# Altium PCB cam_cross_link_generic.PcbDoc (part 4 of 4)
Units mm, origin at the board's own origin, x right, y up, seen from the top; angles counter-clockwise.
Board outline 68.55 x 39.09 mm, 6 copper layers (Signal_T, GND_T, PWR, Signal_INT, GND_B, Signal_B), stack 0.816 mm thick; 173 components, 131 nets, 841 pads, 884 vias.
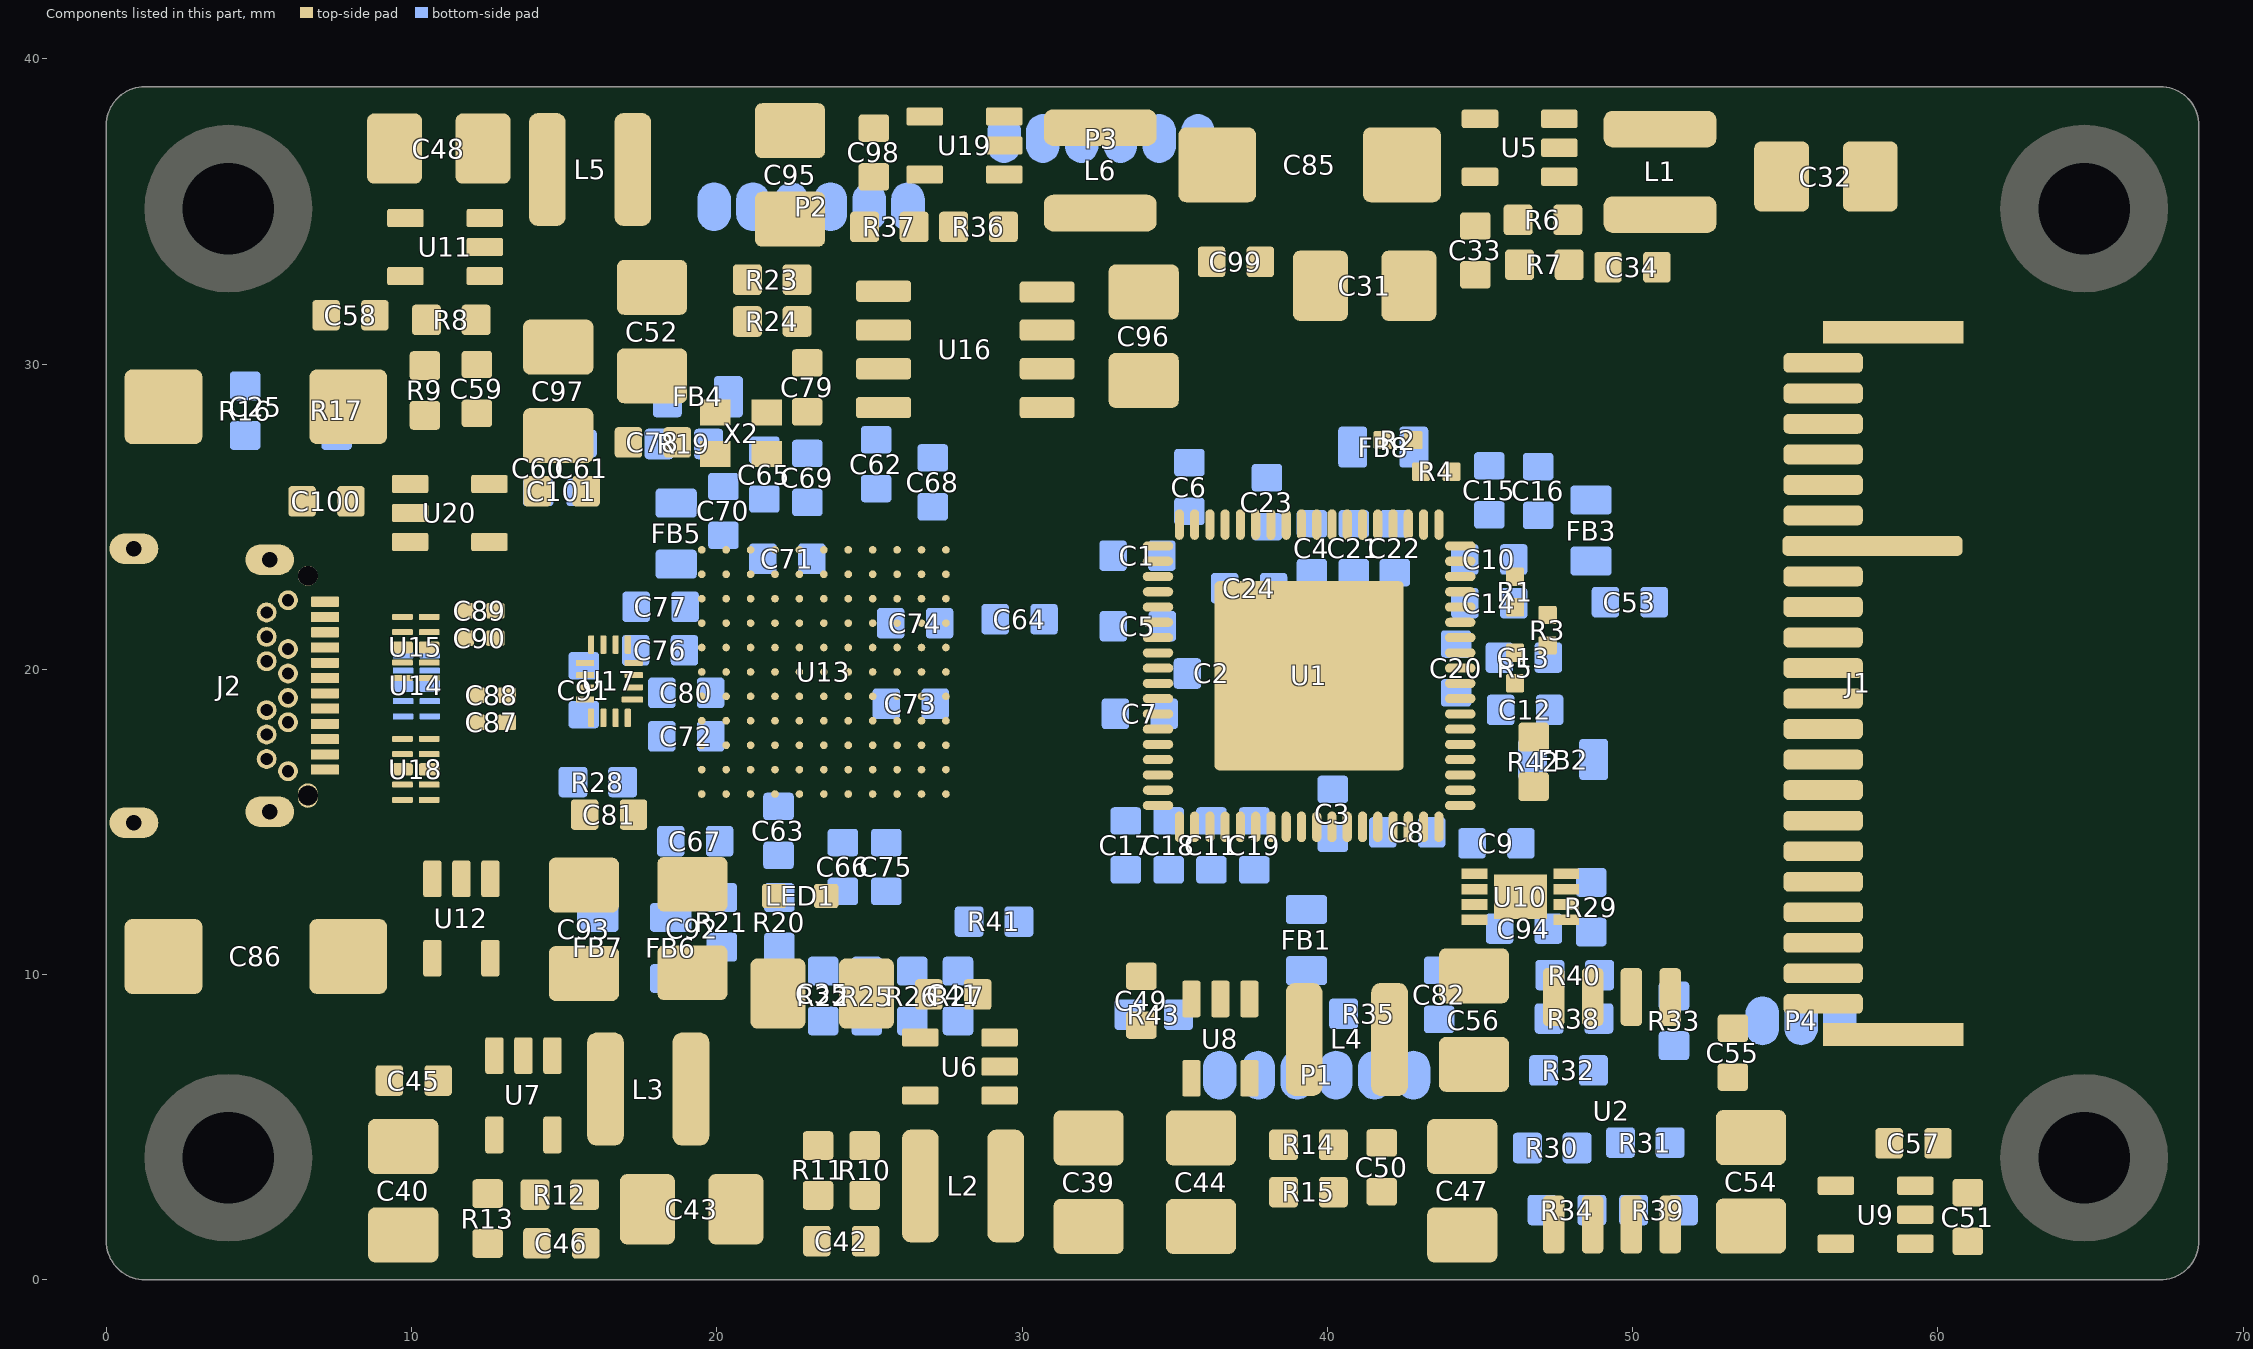
[diagram p8: the components of this part, seen from the top]

## Polygon pours and split planes (outlines as drawn) (continued)
GND on Signal_T "GND_L01_P059" (solid, pour order 59): 10.871,38.974 15.621,38.974 15.621,34.225 13.304,34.225 13.304,33.167 10.847,33.167
+5V on Signal_T "+5V_L01_P057" (solid, pour order 57): 1.293,38.973 10.871,38.974 10.871,33.274 8.966,33.274 8.966,32.131 9.779,32.131 9.779,27.026 11.252,27.026 11.252,23.368 8.763,23.368 8.763,24.74 5.131,24.74 5.131,30.785 0.111,30.785 0.111,37.791 cw(c1.293,37.791)
GND on Signal_T "GND_L01_P054" (solid, pour order 54): 3.556,5.982 3.556,0.11 57.252,0.11 57.252,6.055
+5V on Signal_T "+5V_L01_P041" (solid, pour order 41): 23.495,10.82 23.495,7.925 23.043,7.925 23.043,5.105 25.679,5.105 25.679,5.629 27.661,5.629 27.661,10.82
VUSB on Signal_T "VUSB_L01_P037" (solid, pour order 37): 14.326,11.957 14.326,15.291 8.887,15.291 8.856,14.229 5.366,14.229 5.347,11.957
+5V on Signal_T "+5V_L01_P036" (solid, pour order 36): 0.102,12.649 9.677,12.649 9.677,11.913 14.3,11.913 14.3,8.153 12.493,8.153 12.484,6.642 13.335,5.791 13.335,3.835 0.102,3.835
LDO_1V0 on Signal_T "LDO_1V0_L01_P033" (solid, pour order 33): 52.68,6.223 57.419,6.223 57.419,3.083 52.629,3.083 52.629,2.845
1V0 on Signal_T "1V0_L01_P032" (solid, pour order 32): 28.016,2.565 28.016,4.851 28.575,5.41 29.388,5.41 29.388,9.699 30.453,10.765 32.995,10.765 32.995,2.54 27.991,2.54
+5V on Signal_T "+5V_L01_P031" (solid, pour order 31): 32.995,8.179 37.465,8.179 37.465,3.715 33.032,3.671
GND on Signal_T "GND_L01_P058" (solid, pour order 58): 0.111,30.785 5.131,30.785 5.131,26.416 7.264,26.416 7.264,24.702 8.712,24.702 14.477,24.702 14.477,24.499 12.871,23.044 11.805,23.054 8.78,23.044 7.912,22.022 5.856,22.018 5.537,22.352 4.724,22.352 4.724,16.535 5.766,16.535 5.766,17.12 6.375,17.12 6.375,16.942 11.1,16.942 11.354,16.688 12.192,15.85 16.11,15.85 16.11,13.706 14.335,13.706 14.335,15.291 11.354,15.291 8.856,15.291 8.856,14.229 5.366,14.229 5.366,12.649 0.11,12.649
1V2 on Signal_T "1V2_L01_P056" (solid, pour order 56): 15.316,38.964 18.669,38.964 18.669,34.849 19.914,34.849 19.914,31.09 13.056,31.09 13.056,29.566 11.303,29.566 11.303,32.385 12.802,32.385 12.802,34.392 15.316,34.392
no net on Signal_T "NONET_L01_P077" (solid, pour order 77): 59.291,28.524
LDO_1V8 on Signal_T "LDO_1V8_L01_P055" (solid, pour order 55): 40.564,11.652 43.434,11.653 43.434,12.588 45.391,12.597 45.391,10.717 43.434,10.717 43.434,10.185 40.564,10.185
+5V on Signal_T "+5V_L01_P043" (solid, pour order 43): 0.112,3.962 0.112,1.288 ccw(c1.287,1.288) 1.287,0.112 4.039,0.112 4.039,4.104
+5V on Signal_T "+5V_L01_P042" (solid, pour order 42): 0.148,3.835
1V8 on Signal_T "1V8_L01_P038" (solid, pour order 38): 18.035,8.433 22.936,8.433 22.936,3.835 18.898,3.835 18.898,0.66 15.469,0.66 15.469,4.242 18.035,4.242
FPGA_1V8 on Signal_T "FPGA_1V8_L01_P035" (solid, pour order 35): 26.467,9.804
GND on Signal_B "GND_L06_P092" (solid, pour order 92): 16.844,0.11 1.278,0.108 cw(c1.278,1.272) 0.114,1.272 0.114,37.816 cw(c1.273,37.816) 1.273,38.976 17.018,38.976 17.018,22.86 12.649,22.86 11.887,22.098 5.766,22.098 5.486,22.377 4.724,22.377 4.724,16.535 5.791,16.535 5.791,16.866 9.779,16.866 10.516,17.602 12.09,17.602 13.284,18.796 14.941,18.796 15.5,19.456 17.094,19.456 17.094,0.36
GND on Signal_B "GND_L06_P091" (solid, pour order 91): 66.592,38.976 67.284,38.976 cw(c67.284,37.813) 68.447,37.813 68.447,1.283 cw(c67.277,1.283) 67.277,0.113 16.842,0.113 16.842,38.977 17.028,38.977
LDO_1V8 on Signal_B "LDO_1V8_L06_P044" (solid, pour order 44): 40.361,11.76 44.018,11.76 44.018,10.185 40.361,10.185
GND on Signal_INT "GND_L04_P081" (solid, pour order 81): 55.397,3.251 55.397,0.102 1.301,0.102 cw(c1.301,1.294) 0.109,1.294 0.109,24.511 22.992,24.685 23.181,15.291 38.633,15.291 38.633,9.5 46.685,9.5 46.685,3.251
LDO_1V8 on Signal_INT "LDO_1V8_L04_P046" (solid, pour order 46): 32.004,27.788 46.627,27.788 46.602,9.5 38.633,9.5 38.633,15.113 32.004,15.113
LDO_1V0 on Signal_INT "LDO_1V0_L04_P047" (solid, pour order 47): 46.701,24.867 50.571,24.867 50.571,13.945 52.349,12.065 57.582,12.065 57.582,3.251 46.805,3.251
GND on Signal_INT "GND_L04_P072" (solid, pour order 72): 68.44,37.375 68.44,37.819 ccw(c67.294,37.819) 67.294,38.965 1.26,38.965 ccw(c1.26,37.809) 0.104,37.809 0.104,27.629 68.44,27.629
GND on Signal_INT "GND_L04_P082" (solid, pour order 82): 0.104,27.629 0.104,16.561 4.75,16.561 4.75,22.327 6.248,22.327 6.248,22.047 7.976,22.047 8.783,23.047 9.129,23.393 11.608,23.393 12.624,24.409 32.029,24.409 32.029,27.629
GND on Signal_INT "GND_L04_P083" (solid, pour order 83): 32.029,24.409 32.029,15.291 20.287,15.291 20.316,20.925 19.193,20.913 19.193,24.409
GND on Signal_INT "GND_L04_P079" (solid, pour order 79): 64.907,27.629 68.433,27.629 68.433,1.266 cw(c67.277,1.266) 67.277,0.11 53.315,0.11 53.315,27.632 64.769,27.632
GND on Signal_INT "GND_L04_P078" (solid, pour order 78): 43.815,28.296 43.815,24.867 50.571,24.867 50.571,13.945 52.349,12.065 55.397,12.065 55.397,15.113 53.365,15.113 53.365,28.296 49.632,28.296
no net on Signal_INT "NONET_L04_P049" (solid, pour order 49): 49.733,31.064
+5V on Signal_INT "+5V_L04_P045" (solid, pour order 45): 32.004,28.854
GND on GND_T "GND_L02_P084" (solid, pour order 84): 0.119,37.812 cw(c1.295,37.812) 1.295,38.987 67.265,38.987 cw(c67.265,37.806) 68.446,37.806 68.446,1.303 cw(c67.26,1.303) 67.26,0.118 1.312,0.118 cw(c1.312,1.321) 0.109,1.321
GND on GND_B "GND_L05_P085" (solid, pour order 85): 0.115,37.808 cw(c1.291,37.808) 1.291,38.983 67.261,38.983 cw(c67.261,37.802) 68.442,37.802 68.442,1.299 cw(c67.256,1.299) 67.256,0.114 1.308,0.114 cw(c1.308,1.317) 0.105,1.317

## Keep-outs
Keep-Out Layer:
  lines w0.025: 0,1.27 ccw(c1.27,1.27) 1.27,0 67.285,0 ccw(c67.285,1.27) 68.555,1.27 68.555,16.354 68.555,37.262 68.555,37.816 ccw(c67.285,37.816) 67.285,39.086 67.102,39.086 1.268,39.086 ccw(c1.268,37.818) 0,37.818 0,37.795 0,8.761 0,1.27

## Other copper
Signal_B:
  pour cut-out: 50.381,13.043 48.844,14.58 48.844,17.361 49.886,18.402 49.886,20.345 50.267,20.726 52.807,20.726 52.807,15.469

## Silkscreen, mask and mechanical layers (free items; w line width, h text height)
Top Overlay:
  circle w0.254: c62.995,9.191 r0.31
  circle w0.254: c58.623,9.271 r0.31
  lines w0.254: 52.139,26.441 54.534,26.441 ; 57.81,26.441 61.563,26.441 ; 62.292,5.647 61.563,5.647 61.563,26.441 ; 63.957,26.441 61.563,26.441
  text "1V2" at 13.716,32.41 h1.02
  text "3V3 CAM" at 48.336,31.09 h1.02
  text "1V8" at 36.043,30.658 h1.02
  text "1V8" at 40.107,10.541 h1.02
  text "5V" at 10.795,8.56 h1.02
  text "FPC 1V1 2029" at 66.952,7.339 h0.8 r90
  text "CircuitValley.com MIPILink3" at 65.293,7.307 h0.97 r90
  text "1V0" at 31.578,5.917 h1.02 r90
  text "1V8" at 21.463,4.724 h1.02 r90
  text "3V3" at 39.704,0.671 h1.02
Bottom Overlay:
  text "TRST" at 20.117,38.786 h0.76 r90
  text "TCK" at 25.527,38.633 h0.89 r90
  text "TDO" at 21.463,38.583 h0.89 r90
  text "TDI" at 24.054,38.583 h0.89 r90
  text "TMS" at 22.809,38.557 h0.89 r90
  text "GND" at 26.772,38.532 h0.89 r90
  text "IO24" at 29.769,36.347 h0.89 r90
  text "IO21" at 33.757,36.347 h0.89 r90
  text "IO22" at 31.117,36.328 h0.89 r90
  text "IO26" at 32.461,36.322 h0.89 r90
  text "GND" at 35.04,36.303 h0.89 r90
  text "GND" at 36.283,36.264 h0.89 r90
  text "FX3" at 26.554,32.942 h0.89
  text "TX" at 54.519,7.248 h0.89 r90
  text "FPGA" at 32.169,7.135 h0.89 r180
  text "RX" at 55.905,7.144 h0.89 r90
  text "GND" at 57.226,7.137 h0.89 r90
  text "JTAG_EN" at 42.113,5.613 h0.76 r90
  text "TCK" at 36.805,5.512 h0.89 r90
  text "TDO" at 38.176,5.512 h0.89 r90
  text "TDI" at 39.472,5.512 h0.89 r90
  text "TMS" at 40.792,5.512 h0.89 r90
  text "GND" at 43.409,5.512 h0.89 r90
Bottom Solder:
  drawing of 5 lines, arcs and shapes, not listed
  text "CircuitValley.com MIPILink3" at 66.007,30.975 h0.9 r90
  text "FPC 1V1 2029" at 67.564,30.937 h0.8 r90
Mechanical 15:
  lines w0.025: 0,1.27 ccw(c1.27,1.27) 1.27,0 67.285,0 ccw(c67.285,1.27) 68.555,1.27 68.555,37.816 ccw(c67.285,37.816) 67.285,39.086 1.268,39.086 ccw(c1.268,37.818) 0,37.818 0,1.27